# Altium PCB PCB5.PcbDoc (part 14 of 16)
Units mil, origin at the board's own origin, x right, y up, seen from the top; angles counter-clockwise.
Board outline 9210.27 x 4350.4 mil, 4 copper layers (Top Layer, Layer 1, Layer 2, Bottom Layer), stack 23.756 mil thick; 1550 components, 1731 nets, 5196 pads, 1890 vias.
Unrouted connection lines stored in the file: 2462.
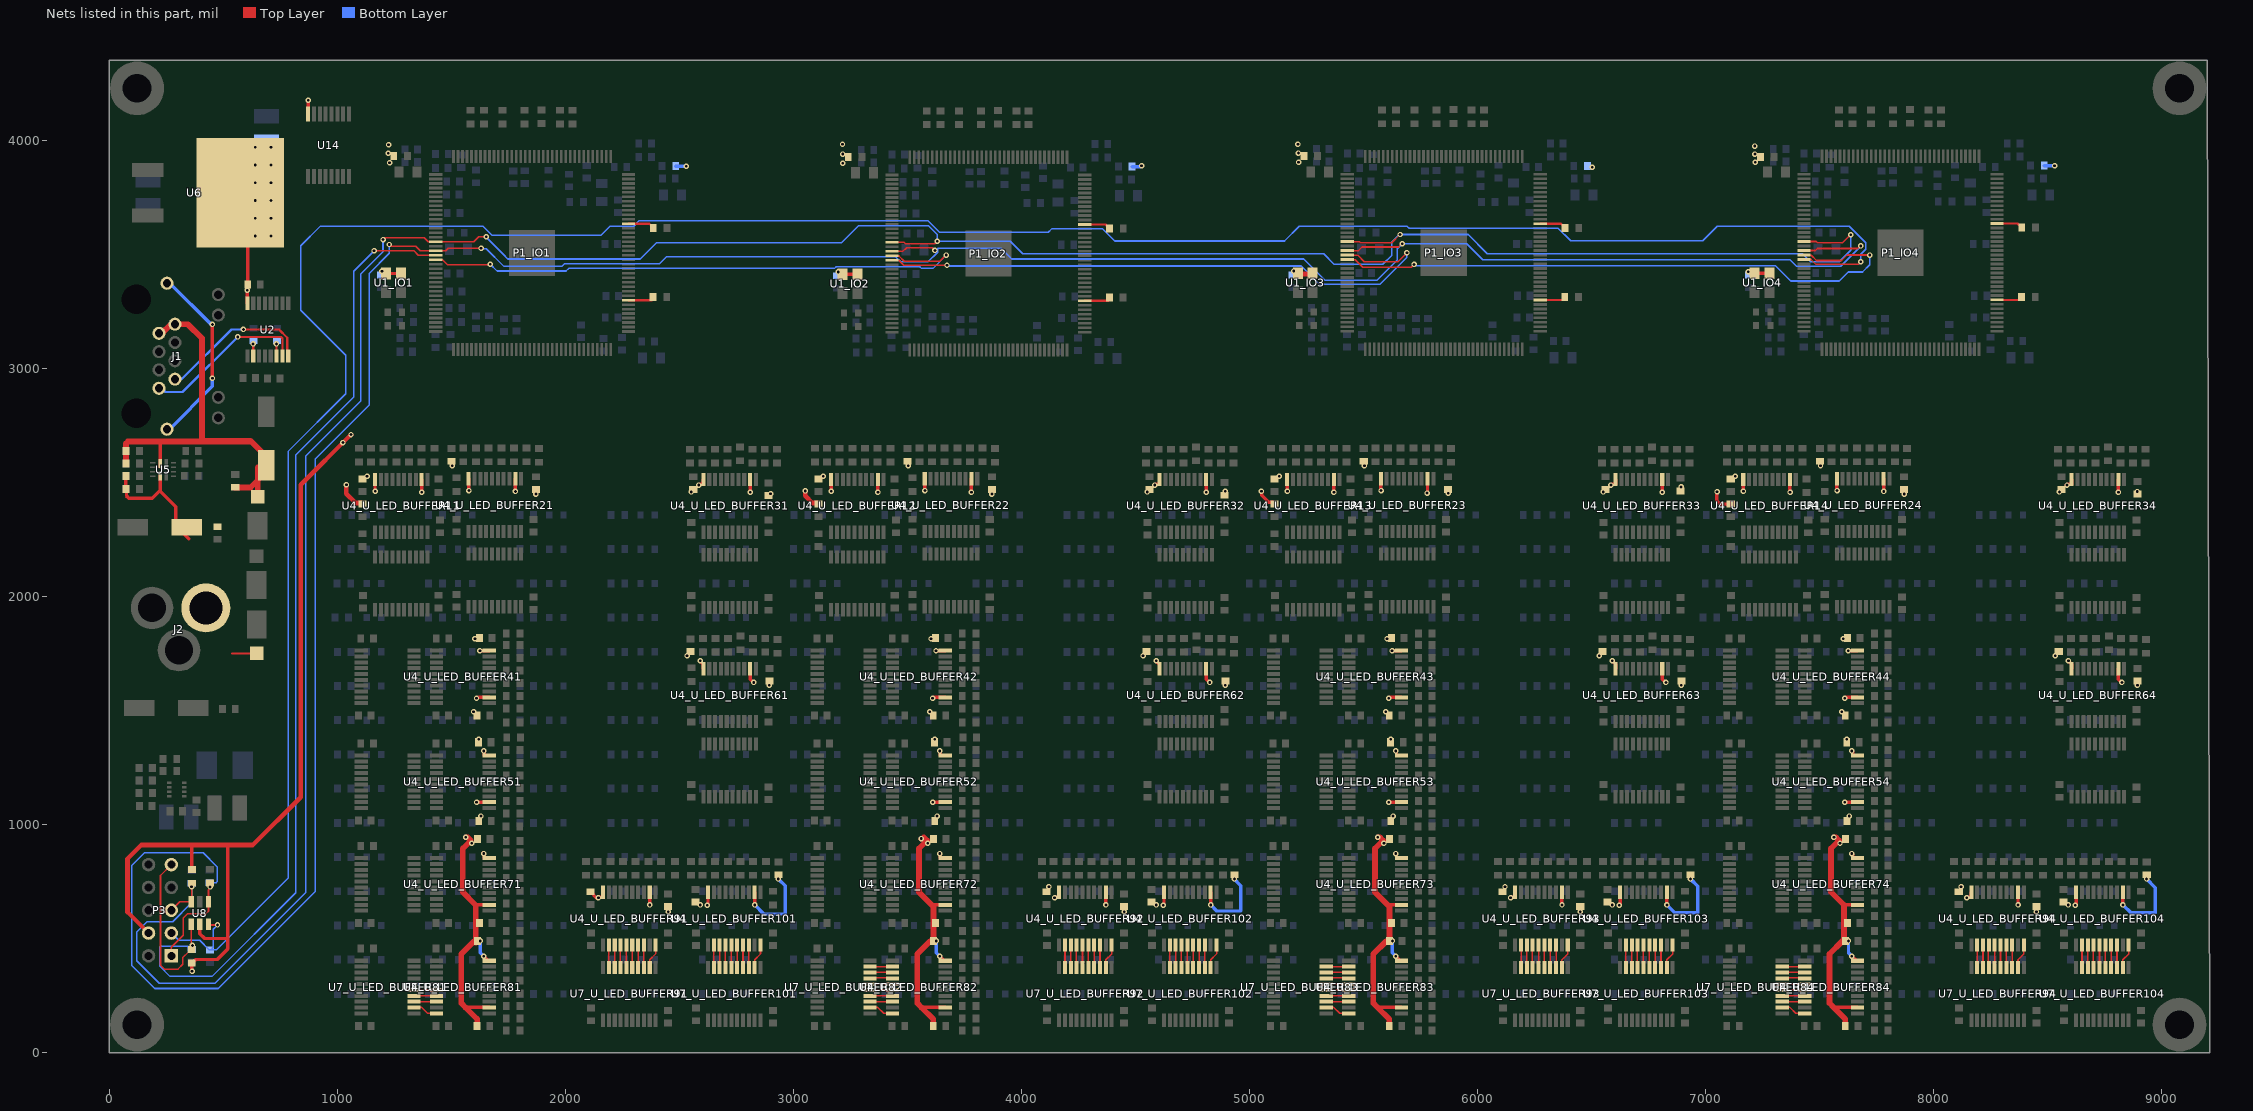
[diagram p16: the nets of this part, all layers, seen from the top]

## Via types
v1: diameter 24, hole 12, Top Layer to Bottom Layer, tented both sides, 1882 vias
v2: diameter 24, hole 12, Top Layer to Bottom Layer, 8 vias

## Nets (pads, with @x,y where several pads share a name; then routed paths per layer and width w, separated by ;. In a path a pad name is that pad's centre, name@x,y a point inside that pad or via, vN(x,y) a via of type N, cw(c..) or ccw(c..) an arc to the next point about the centre after c; other vN are vias at no path point) (continued)
NetU4_U_LED_BUFFER81_16: U4_U_LED_BUFFER81.16 U7_U_LED_BUFFER81.5 | length 98.7
  Top Layer w7: U7_U_LED_BUFFER81.5@1336.3,274.37 U4_U_LED_BUFFER81.16@1434.96,274.37
NetU4_U_LED_BUFFER81_17: U4_U_LED_BUFFER81.17 U7_U_LED_BUFFER81.4 | length 98.7
  Top Layer w7: U7_U_LED_BUFFER81.4@1336.3,248.78 U4_U_LED_BUFFER81.17@1434.96,248.78
NetU4_U_LED_BUFFER81_18: U4_U_LED_BUFFER81.18 U7_U_LED_BUFFER81.3 | length 98.7
  Top Layer w7: U7_U_LED_BUFFER81.3@1336.3,223.19 U4_U_LED_BUFFER81.18@1434.96,223.19
NetU4_U_LED_BUFFER81_20: U4_U_LED_BUFFER81.20 U7_U_LED_BUFFER81.2 | length 109.3
  Top Layer w7: U7_U_LED_BUFFER81.2@1336.3,197.6 1370.2,197.6 1395.79,172.01 U4_U_LED_BUFFER81.20@1434.96,172.01
NetU4_U_LED_BUFFER82_12: U4_U_LED_BUFFER82.12 U7_U_LED_BUFFER82.9 | length 98.7
  Top Layer w7: U7_U_LED_BUFFER82.9@3336.3,376.73 U4_U_LED_BUFFER82.12@3434.96,376.73
NetU4_U_LED_BUFFER82_13: U4_U_LED_BUFFER82.13 U7_U_LED_BUFFER82.8 | length 98.7
  Top Layer w7: U7_U_LED_BUFFER82.8@3336.3,351.14 U4_U_LED_BUFFER82.13@3434.96,351.14
NetU4_U_LED_BUFFER82_14: U4_U_LED_BUFFER82.14 U7_U_LED_BUFFER82.7 | length 98.7
  Top Layer w7: U7_U_LED_BUFFER82.7@3331.97,327.16 U4_U_LED_BUFFER82.14@3430.63,327.16
NetU4_U_LED_BUFFER82_15: U4_U_LED_BUFFER82.15 U7_U_LED_BUFFER82.6 | length 98.7
  Top Layer w7: U7_U_LED_BUFFER82.6@3336.3,299.96 U4_U_LED_BUFFER82.15@3434.96,299.96
NetU4_U_LED_BUFFER82_16: U4_U_LED_BUFFER82.16 U7_U_LED_BUFFER82.5 | length 98.7
  Top Layer w7: U7_U_LED_BUFFER82.5@3336.3,274.37 U4_U_LED_BUFFER82.16@3434.96,274.37
NetU4_U_LED_BUFFER82_17: U4_U_LED_BUFFER82.17 U7_U_LED_BUFFER82.4 | length 98.7
  Top Layer w7: U7_U_LED_BUFFER82.4@3336.3,248.78 U4_U_LED_BUFFER82.17@3434.96,248.78
NetU4_U_LED_BUFFER82_18: U4_U_LED_BUFFER82.18 U7_U_LED_BUFFER82.3 | length 98.7
  Top Layer w7: U7_U_LED_BUFFER82.3@3336.3,223.19 U4_U_LED_BUFFER82.18@3434.96,223.19
NetU4_U_LED_BUFFER82_20: U4_U_LED_BUFFER82.20 U7_U_LED_BUFFER82.2 | length 109.3
  Top Layer w7: U7_U_LED_BUFFER82.2@3336.3,197.6 3370.2,197.6 3395.79,172.01 U4_U_LED_BUFFER82.20@3434.96,172.01
NetU4_U_LED_BUFFER83_12: U4_U_LED_BUFFER83.12 U7_U_LED_BUFFER83.9 | length 98.7
  Top Layer w7: U7_U_LED_BUFFER83.9@5336.3,376.73 U4_U_LED_BUFFER83.12@5434.96,376.73
NetU4_U_LED_BUFFER83_13: U4_U_LED_BUFFER83.13 U7_U_LED_BUFFER83.8 | length 98.7
  Top Layer w7: U7_U_LED_BUFFER83.8@5336.3,351.14 U4_U_LED_BUFFER83.13@5434.96,351.14
NetU4_U_LED_BUFFER83_14: U4_U_LED_BUFFER83.14 U7_U_LED_BUFFER83.7 | length 98.7
  Top Layer w7: U7_U_LED_BUFFER83.7@5331.97,327.16 U4_U_LED_BUFFER83.14@5430.63,327.16
NetU4_U_LED_BUFFER83_15: U4_U_LED_BUFFER83.15 U7_U_LED_BUFFER83.6 | length 98.7
  Top Layer w7: U7_U_LED_BUFFER83.6@5336.3,299.96 U4_U_LED_BUFFER83.15@5434.96,299.96
NetU4_U_LED_BUFFER83_16: U4_U_LED_BUFFER83.16 U7_U_LED_BUFFER83.5 | length 98.7
  Top Layer w7: U7_U_LED_BUFFER83.5@5336.3,274.37 U4_U_LED_BUFFER83.16@5434.96,274.37
NetU4_U_LED_BUFFER83_17: U4_U_LED_BUFFER83.17 U7_U_LED_BUFFER83.4 | length 98.7
  Top Layer w7: U7_U_LED_BUFFER83.4@5336.3,248.78 U4_U_LED_BUFFER83.17@5434.96,248.78
NetU4_U_LED_BUFFER83_18: U4_U_LED_BUFFER83.18 U7_U_LED_BUFFER83.3 | length 98.7
  Top Layer w7: U7_U_LED_BUFFER83.3@5336.3,223.19 U4_U_LED_BUFFER83.18@5434.96,223.19
NetU4_U_LED_BUFFER83_20: U4_U_LED_BUFFER83.20 U7_U_LED_BUFFER83.2 | length 109.3
  Top Layer w7: U7_U_LED_BUFFER83.2@5336.3,197.6 5370.2,197.6 5395.79,172.01 U4_U_LED_BUFFER83.20@5434.96,172.01
NetU4_U_LED_BUFFER84_12: U4_U_LED_BUFFER84.12 U7_U_LED_BUFFER84.9 | length 98.7
  Top Layer w7: U7_U_LED_BUFFER84.9@7336.3,376.73 U4_U_LED_BUFFER84.12@7434.96,376.73
NetU4_U_LED_BUFFER84_13: U4_U_LED_BUFFER84.13 U7_U_LED_BUFFER84.8 | length 98.7
  Top Layer w7: U7_U_LED_BUFFER84.8@7336.3,351.14 U4_U_LED_BUFFER84.13@7434.96,351.14
NetU4_U_LED_BUFFER84_14: U4_U_LED_BUFFER84.14 U7_U_LED_BUFFER84.7 | length 98.7
  Top Layer w7: U7_U_LED_BUFFER84.7@7331.97,327.16 U4_U_LED_BUFFER84.14@7430.63,327.16
NetU4_U_LED_BUFFER84_15: U4_U_LED_BUFFER84.15 U7_U_LED_BUFFER84.6 | length 98.7
  Top Layer w7: U7_U_LED_BUFFER84.6@7336.3,299.96 U4_U_LED_BUFFER84.15@7434.96,299.96
NetU4_U_LED_BUFFER84_16: U4_U_LED_BUFFER84.16 U7_U_LED_BUFFER84.5 | length 98.7
  Top Layer w7: U7_U_LED_BUFFER84.5@7336.3,274.37 U4_U_LED_BUFFER84.16@7434.96,274.37
NetU4_U_LED_BUFFER84_17: U4_U_LED_BUFFER84.17 U7_U_LED_BUFFER84.4 | length 98.7
  Top Layer w7: U7_U_LED_BUFFER84.4@7336.3,248.78 U4_U_LED_BUFFER84.17@7434.96,248.78
NetU4_U_LED_BUFFER84_18: U4_U_LED_BUFFER84.18 U7_U_LED_BUFFER84.3 | length 98.7
  Top Layer w7: U7_U_LED_BUFFER84.3@7336.3,223.19 U4_U_LED_BUFFER84.18@7434.96,223.19
NetU4_U_LED_BUFFER84_20: U4_U_LED_BUFFER84.20 U7_U_LED_BUFFER84.2 | length 109.3
  Top Layer w7: U7_U_LED_BUFFER84.2@7336.3,197.6 7370.2,197.6 7395.79,172.01 U4_U_LED_BUFFER84.20@7434.96,172.01
NetU4_U_LED_BUFFER91_12: U4_U_LED_BUFFER91.12 U7_U_LED_BUFFER91.9 | length 98.7
  Top Layer w7: U7_U_LED_BUFFER91.9@2191.06,372.83 U4_U_LED_BUFFER91.12@2191.06,471.5
NetU4_U_LED_BUFFER91_13: U4_U_LED_BUFFER91.13 U7_U_LED_BUFFER91.8 | length 98.7
  Top Layer w7: U7_U_LED_BUFFER91.8@2216.66,372.83 U4_U_LED_BUFFER91.13@2216.66,471.5
NetU4_U_LED_BUFFER91_14: U4_U_LED_BUFFER91.14 U7_U_LED_BUFFER91.7 | length 98.7
  Top Layer w7: U7_U_LED_BUFFER91.7@2240.63,368.5 U4_U_LED_BUFFER91.14@2240.63,467.16
NetU4_U_LED_BUFFER91_15: U4_U_LED_BUFFER91.15 U7_U_LED_BUFFER91.6 | length 98.7
  Top Layer w7: U7_U_LED_BUFFER91.6@2267.84,372.83 U4_U_LED_BUFFER91.15@2267.84,471.5
NetU4_U_LED_BUFFER91_16: U4_U_LED_BUFFER91.16 U7_U_LED_BUFFER91.5 | length 98.7
  Top Layer w7: U7_U_LED_BUFFER91.5@2293.43,372.83 U4_U_LED_BUFFER91.16@2293.43,471.5
NetU4_U_LED_BUFFER91_17: U4_U_LED_BUFFER91.17 U7_U_LED_BUFFER91.4 | length 98.7
  Top Layer w7: U7_U_LED_BUFFER91.4@2319.02,372.83 U4_U_LED_BUFFER91.17@2319.02,471.5
NetU4_U_LED_BUFFER91_18: U4_U_LED_BUFFER91.18 U7_U_LED_BUFFER91.3 | length 98.7
  Top Layer w7: U7_U_LED_BUFFER91.3@2344.61,372.83 U4_U_LED_BUFFER91.18@2344.61,471.5
NetU4_U_LED_BUFFER91_20: U4_U_LED_BUFFER91.20 U7_U_LED_BUFFER91.2 | length 109.3
  Top Layer w7: U7_U_LED_BUFFER91.2@2370.2,372.83 2370.2,406.73 2395.79,432.32 U4_U_LED_BUFFER91.20@2395.79,471.5
NetU4_U_LED_BUFFER92_12: U4_U_LED_BUFFER92.12 U7_U_LED_BUFFER92.9 | length 98.7
  Top Layer w7: U7_U_LED_BUFFER92.9@4191.06,372.83 U4_U_LED_BUFFER92.12@4191.06,471.5
NetU4_U_LED_BUFFER92_13: U4_U_LED_BUFFER92.13 U7_U_LED_BUFFER92.8 | length 98.7
  Top Layer w7: U7_U_LED_BUFFER92.8@4216.66,372.83 U4_U_LED_BUFFER92.13@4216.66,471.5
NetU4_U_LED_BUFFER92_14: U4_U_LED_BUFFER92.14 U7_U_LED_BUFFER92.7 | length 98.7
  Top Layer w7: U7_U_LED_BUFFER92.7@4240.63,368.5 U4_U_LED_BUFFER92.14@4240.63,467.16
NetU4_U_LED_BUFFER92_15: U4_U_LED_BUFFER92.15 U7_U_LED_BUFFER92.6 | length 98.7
  Top Layer w7: U7_U_LED_BUFFER92.6@4267.84,372.83 U4_U_LED_BUFFER92.15@4267.84,471.5
NetU4_U_LED_BUFFER92_16: U4_U_LED_BUFFER92.16 U7_U_LED_BUFFER92.5 | length 98.7
  Top Layer w7: U7_U_LED_BUFFER92.5@4293.43,372.83 U4_U_LED_BUFFER92.16@4293.43,471.5
NetU4_U_LED_BUFFER92_17: U4_U_LED_BUFFER92.17 U7_U_LED_BUFFER92.4 | length 98.7
  Top Layer w7: U7_U_LED_BUFFER92.4@4319.02,372.83 U4_U_LED_BUFFER92.17@4319.02,471.5
NetU4_U_LED_BUFFER92_18: U4_U_LED_BUFFER92.18 U7_U_LED_BUFFER92.3 | length 98.7
  Top Layer w7: U7_U_LED_BUFFER92.3@4344.61,372.83 U4_U_LED_BUFFER92.18@4344.61,471.5
NetU4_U_LED_BUFFER92_20: U4_U_LED_BUFFER92.20 U7_U_LED_BUFFER92.2 | length 109.3
  Top Layer w7: U7_U_LED_BUFFER92.2@4370.2,372.83 4370.2,406.73 4395.79,432.32 U4_U_LED_BUFFER92.20@4395.79,471.5
NetU4_U_LED_BUFFER93_12: U4_U_LED_BUFFER93.12 U7_U_LED_BUFFER93.9 | length 98.7
  Top Layer w7: U7_U_LED_BUFFER93.9@6191.06,372.83 U4_U_LED_BUFFER93.12@6191.06,471.5
NetU4_U_LED_BUFFER93_13: U4_U_LED_BUFFER93.13 U7_U_LED_BUFFER93.8 | length 98.7
  Top Layer w7: U7_U_LED_BUFFER93.8@6216.66,372.83 U4_U_LED_BUFFER93.13@6216.66,471.5
NetU4_U_LED_BUFFER93_14: U4_U_LED_BUFFER93.14 U7_U_LED_BUFFER93.7 | length 98.7
  Top Layer w7: U7_U_LED_BUFFER93.7@6240.63,368.5 U4_U_LED_BUFFER93.14@6240.63,467.16
NetU4_U_LED_BUFFER93_15: U4_U_LED_BUFFER93.15 U7_U_LED_BUFFER93.6 | length 98.7
  Top Layer w7: U7_U_LED_BUFFER93.6@6267.84,372.83 U4_U_LED_BUFFER93.15@6267.84,471.5
NetU4_U_LED_BUFFER93_16: U4_U_LED_BUFFER93.16 U7_U_LED_BUFFER93.5 | length 98.7
  Top Layer w7: U7_U_LED_BUFFER93.5@6293.43,372.83 U4_U_LED_BUFFER93.16@6293.43,471.5
NetU4_U_LED_BUFFER93_17: U4_U_LED_BUFFER93.17 U7_U_LED_BUFFER93.4 | length 98.7
  Top Layer w7: U7_U_LED_BUFFER93.4@6319.02,372.83 U4_U_LED_BUFFER93.17@6319.02,471.5
NetU4_U_LED_BUFFER93_18: U4_U_LED_BUFFER93.18 U7_U_LED_BUFFER93.3 | length 98.7
  Top Layer w7: U7_U_LED_BUFFER93.3@6344.61,372.83 U4_U_LED_BUFFER93.18@6344.61,471.5
NetU4_U_LED_BUFFER93_20: U4_U_LED_BUFFER93.20 U7_U_LED_BUFFER93.2 | length 109.3
  Top Layer w7: U7_U_LED_BUFFER93.2@6370.2,372.83 6370.2,406.73 6395.79,432.32 U4_U_LED_BUFFER93.20@6395.79,471.5
NetU4_U_LED_BUFFER94_12: U4_U_LED_BUFFER94.12 U7_U_LED_BUFFER94.9 | length 98.7
  Top Layer w7: U7_U_LED_BUFFER94.9@8191.06,372.83 U4_U_LED_BUFFER94.12@8191.06,471.5
NetU4_U_LED_BUFFER94_13: U4_U_LED_BUFFER94.13 U7_U_LED_BUFFER94.8 | length 98.7
  Top Layer w7: U7_U_LED_BUFFER94.8@8216.66,372.83 U4_U_LED_BUFFER94.13@8216.66,471.5
NetU4_U_LED_BUFFER94_14: U4_U_LED_BUFFER94.14 U7_U_LED_BUFFER94.7 | length 98.7
  Top Layer w7: U7_U_LED_BUFFER94.7@8240.63,368.5 U4_U_LED_BUFFER94.14@8240.63,467.16
NetU4_U_LED_BUFFER94_15: U4_U_LED_BUFFER94.15 U7_U_LED_BUFFER94.6 | length 98.7
  Top Layer w7: U7_U_LED_BUFFER94.6@8267.84,372.83 U4_U_LED_BUFFER94.15@8267.84,471.5
NetU4_U_LED_BUFFER94_16: U4_U_LED_BUFFER94.16 U7_U_LED_BUFFER94.5 | length 98.7
  Top Layer w7: U7_U_LED_BUFFER94.5@8293.43,372.83 U4_U_LED_BUFFER94.16@8293.43,471.5
NetU4_U_LED_BUFFER94_17: U4_U_LED_BUFFER94.17 U7_U_LED_BUFFER94.4 | length 98.7
  Top Layer w7: U7_U_LED_BUFFER94.4@8319.02,372.83 U4_U_LED_BUFFER94.17@8319.02,471.5
NetU4_U_LED_BUFFER94_18: U4_U_LED_BUFFER94.18 U7_U_LED_BUFFER94.3 | length 98.7
  Top Layer w7: U7_U_LED_BUFFER94.3@8344.61,372.83 U4_U_LED_BUFFER94.18@8344.61,471.5
NetU4_U_LED_BUFFER94_20: U4_U_LED_BUFFER94.20 U7_U_LED_BUFFER94.2 | length 109.3
  Top Layer w7: U7_U_LED_BUFFER94.2@8370.2,372.83 8370.2,406.73 8395.79,432.32 U4_U_LED_BUFFER94.20@8395.79,471.5
NetU4_U_LED_BUFFER101_12: U4_U_LED_BUFFER101.12 U7_U_LED_BUFFER101.9 | length 98.7
  Top Layer w7: U7_U_LED_BUFFER101.9@2651.06,372.83 U4_U_LED_BUFFER101.12@2651.06,471.5
NetU4_U_LED_BUFFER101_13: U4_U_LED_BUFFER101.13 U7_U_LED_BUFFER101.8 | length 98.7
  Top Layer w7: U7_U_LED_BUFFER101.8@2676.66,372.83 U4_U_LED_BUFFER101.13@2676.66,471.5
NetU4_U_LED_BUFFER101_14: U4_U_LED_BUFFER101.14 U7_U_LED_BUFFER101.7 | length 98.7
  Top Layer w7: U7_U_LED_BUFFER101.7@2700.63,368.5 U4_U_LED_BUFFER101.14@2700.63,467.16
NetU4_U_LED_BUFFER101_15: U4_U_LED_BUFFER101.15 U7_U_LED_BUFFER101.6 | length 98.7
  Top Layer w7: U7_U_LED_BUFFER101.6@2727.84,372.83 U4_U_LED_BUFFER101.15@2727.84,471.5
NetU4_U_LED_BUFFER101_16: U4_U_LED_BUFFER101.16 U7_U_LED_BUFFER101.5 | length 98.7
  Top Layer w7: U7_U_LED_BUFFER101.5@2753.43,372.83 U4_U_LED_BUFFER101.16@2753.43,471.5
NetU4_U_LED_BUFFER101_17: U4_U_LED_BUFFER101.17 U7_U_LED_BUFFER101.4 | length 98.7
  Top Layer w7: U7_U_LED_BUFFER101.4@2779.02,372.83 U4_U_LED_BUFFER101.17@2779.02,471.5
NetU4_U_LED_BUFFER101_18: U4_U_LED_BUFFER101.18 U7_U_LED_BUFFER101.3 | length 98.7
  Top Layer w7: U7_U_LED_BUFFER101.3@2804.61,372.83 U4_U_LED_BUFFER101.18@2804.61,471.5
NetU4_U_LED_BUFFER101_20: U4_U_LED_BUFFER101.20 U7_U_LED_BUFFER101.2 | length 109.3
  Top Layer w7: U7_U_LED_BUFFER101.2@2830.2,372.83 2830.2,406.73 2855.79,432.32 U4_U_LED_BUFFER101.20@2855.79,471.5
NetU4_U_LED_BUFFER102_12: U4_U_LED_BUFFER102.12 U7_U_LED_BUFFER102.9 | length 98.7
  Top Layer w7: U7_U_LED_BUFFER102.9@4651.06,372.83 U4_U_LED_BUFFER102.12@4651.06,471.5
NetU4_U_LED_BUFFER102_13: U4_U_LED_BUFFER102.13 U7_U_LED_BUFFER102.8 | length 98.7
  Top Layer w7: U7_U_LED_BUFFER102.8@4676.66,372.83 U4_U_LED_BUFFER102.13@4676.66,471.5
NetU4_U_LED_BUFFER102_14: U4_U_LED_BUFFER102.14 U7_U_LED_BUFFER102.7 | length 98.7
  Top Layer w7: U7_U_LED_BUFFER102.7@4700.63,368.5 U4_U_LED_BUFFER102.14@4700.63,467.16
NetU4_U_LED_BUFFER102_15: U4_U_LED_BUFFER102.15 U7_U_LED_BUFFER102.6 | length 98.7
  Top Layer w7: U7_U_LED_BUFFER102.6@4727.84,372.83 U4_U_LED_BUFFER102.15@4727.84,471.5
NetU4_U_LED_BUFFER102_16: U4_U_LED_BUFFER102.16 U7_U_LED_BUFFER102.5 | length 98.7
  Top Layer w7: U7_U_LED_BUFFER102.5@4753.43,372.83 U4_U_LED_BUFFER102.16@4753.43,471.5
NetU4_U_LED_BUFFER102_17: U4_U_LED_BUFFER102.17 U7_U_LED_BUFFER102.4 | length 98.7
  Top Layer w7: U7_U_LED_BUFFER102.4@4779.02,372.83 U4_U_LED_BUFFER102.17@4779.02,471.5
NetU4_U_LED_BUFFER102_18: U4_U_LED_BUFFER102.18 U7_U_LED_BUFFER102.3 | length 98.7
  Top Layer w7: U7_U_LED_BUFFER102.3@4804.61,372.83 U4_U_LED_BUFFER102.18@4804.61,471.5
NetU4_U_LED_BUFFER102_20: U4_U_LED_BUFFER102.20 U7_U_LED_BUFFER102.2 | length 109.3
  Top Layer w7: U7_U_LED_BUFFER102.2@4830.2,372.83 4830.2,406.73 4855.79,432.32 U4_U_LED_BUFFER102.20@4855.79,471.5
NetU4_U_LED_BUFFER103_12: U4_U_LED_BUFFER103.12 U7_U_LED_BUFFER103.9 | length 98.7
  Top Layer w7: U7_U_LED_BUFFER103.9@6651.06,372.83 U4_U_LED_BUFFER103.12@6651.06,471.5
NetU4_U_LED_BUFFER103_13: U4_U_LED_BUFFER103.13 U7_U_LED_BUFFER103.8 | length 98.7
  Top Layer w7: U7_U_LED_BUFFER103.8@6676.66,372.83 U4_U_LED_BUFFER103.13@6676.66,471.5
NetU4_U_LED_BUFFER103_14: U4_U_LED_BUFFER103.14 U7_U_LED_BUFFER103.7 | length 98.7
  Top Layer w7: U7_U_LED_BUFFER103.7@6700.63,368.5 U4_U_LED_BUFFER103.14@6700.63,467.16
NetU4_U_LED_BUFFER103_15: U4_U_LED_BUFFER103.15 U7_U_LED_BUFFER103.6 | length 98.7
  Top Layer w7: U7_U_LED_BUFFER103.6@6727.84,372.83 U4_U_LED_BUFFER103.15@6727.84,471.5
NetU4_U_LED_BUFFER103_16: U4_U_LED_BUFFER103.16 U7_U_LED_BUFFER103.5 | length 98.7
  Top Layer w7: U7_U_LED_BUFFER103.5@6753.43,372.83 U4_U_LED_BUFFER103.16@6753.43,471.5
NetU4_U_LED_BUFFER103_17: U4_U_LED_BUFFER103.17 U7_U_LED_BUFFER103.4 | length 98.7
  Top Layer w7: U7_U_LED_BUFFER103.4@6779.02,372.83 U4_U_LED_BUFFER103.17@6779.02,471.5
NetU4_U_LED_BUFFER103_18: U4_U_LED_BUFFER103.18 U7_U_LED_BUFFER103.3 | length 98.7
  Top Layer w7: U7_U_LED_BUFFER103.3@6804.61,372.83 U4_U_LED_BUFFER103.18@6804.61,471.5
NetU4_U_LED_BUFFER103_20: U4_U_LED_BUFFER103.20 U7_U_LED_BUFFER103.2 | length 109.3
  Top Layer w7: U7_U_LED_BUFFER103.2@6830.2,372.83 6830.2,406.73 6855.79,432.32 U4_U_LED_BUFFER103.20@6855.79,471.5
NetU4_U_LED_BUFFER104_12: U4_U_LED_BUFFER104.12 U7_U_LED_BUFFER104.9 | length 98.7
  Top Layer w7: U7_U_LED_BUFFER104.9@8651.06,372.83 U4_U_LED_BUFFER104.12@8651.06,471.5
NetU4_U_LED_BUFFER104_13: U4_U_LED_BUFFER104.13 U7_U_LED_BUFFER104.8 | length 98.7
  Top Layer w7: U7_U_LED_BUFFER104.8@8676.66,372.83 U4_U_LED_BUFFER104.13@8676.66,471.5
NetU4_U_LED_BUFFER104_14: U4_U_LED_BUFFER104.14 U7_U_LED_BUFFER104.7 | length 98.7
  Top Layer w7: U7_U_LED_BUFFER104.7@8700.63,368.5 U4_U_LED_BUFFER104.14@8700.63,467.16
NetU4_U_LED_BUFFER104_15: U4_U_LED_BUFFER104.15 U7_U_LED_BUFFER104.6 | length 98.7
  Top Layer w7: U7_U_LED_BUFFER104.6@8727.84,372.83 U4_U_LED_BUFFER104.15@8727.84,471.5
NetU4_U_LED_BUFFER104_16: U4_U_LED_BUFFER104.16 U7_U_LED_BUFFER104.5 | length 98.7
  Top Layer w7: U7_U_LED_BUFFER104.5@8753.43,372.83 U4_U_LED_BUFFER104.16@8753.43,471.5
NetU4_U_LED_BUFFER104_17: U4_U_LED_BUFFER104.17 U7_U_LED_BUFFER104.4 | length 98.7
  Top Layer w7: U7_U_LED_BUFFER104.4@8779.02,372.83 U4_U_LED_BUFFER104.17@8779.02,471.5
NetU4_U_LED_BUFFER104_18: U4_U_LED_BUFFER104.18 U7_U_LED_BUFFER104.3 | length 98.7
  Top Layer w7: U7_U_LED_BUFFER104.3@8804.61,372.83 U4_U_LED_BUFFER104.18@8804.61,471.5
NetU4_U_LED_BUFFER104_20: U4_U_LED_BUFFER104.20 U7_U_LED_BUFFER104.2 | length 109.3
  Top Layer w7: U7_U_LED_BUFFER104.2@8830.2,372.83 8830.2,406.73 8855.79,432.32 U4_U_LED_BUFFER104.20@8855.79,471.5
PWR_CNTRL: C78.2 C79.1 D4.2 J1.7 J1.8 R41.1 R42.2 U5.2 | length 2076.2
  Top Layer w15: U5.2@223.14,2569.57 223.14,2679.57
  Top Layer w25: R41.1@72.98,2582.81 R42.2@72.98,2638.34 72.98,2670.94 81.61,2679.57 223.14,2679.57 406.24,2679.57 622.74,2679.57 ; J1.7@229.86,3153.85 270.02,3194.01 299.94,3194.01 344.27,3194.01 406.24,3132.04 406.24,2685.07 ; 406.24,2682.77 619.54,2682.77 622.74,2679.57 ; C78.2@549.81,2476.48 C78.2@552.34,2479.01 ; C78.2@552.34,2477.55 619.97,2477.55 650.54,2508.12 ; D4.2@650.54,2436.83 650.54,2508.12 ; 650.54,2565.67 650.54,2508.12 ; 622.74,2679.57 668.64,2633.67 668.64,2526.22 650.54,2508.12
PWR_LOCAL: C75.2 C76.1 D6.2 J2.1 R35.1 R36.2 U5.7 | length 763.1
  Top Layer w10: J2.1@422.15,1858.6 J2.1@422.15,1951.7 ; 538.34,1750.07 D6.2@646.44,1750.07
  Top Layer w15: R35.1@72.98,2527.27 R36.2@72.98,2471.74 75.5,2469.23 75.5,2440.53 85.98,2430.04 188.18,2430.04 221.63,2463.49 ; U5.7@222.78,2529.79 223.08,2529.49 223.08,2464.94 221.63,2463.49 ; C76.1@287.24,2314.67 348.84,2253.07 ; C76.1@292.44,2337.17 292.44,2392.69 221.63,2463.49
RS232_RX: J1.2 U2.8 | length 667.7
  Top Layer w10: v1(588.14,3170.77) 744.08,3170.77 780.18,3134.67 780.18,3084.19 781.05,3083.32 781.05,3058.15 U2.8@784.91,3054.3
  Bottom Layer w10: J1.2@299.94,2953.07 318.36,2953.07 536.06,3170.77 v1(588.14,3170.77)
RS232_TX: J1.1 U2.7 | length 716.3
  Top Layer w10: v1(563.06,3137.97) 752.84,3137.97 759.32,3131.49 U2.7@759.32,3054.3
  Bottom Layer w10: J1.1@229.86,2912.91 246.45,2896.32 321.42,2896.32 v1(563.06,3137.97)
SCL: P1_IO1.97 R14_IO1.1 | length 116.2
  Top Layer w10: P1_IO1.97@2276.85,3634.06 2367.63,3634.06 2376.63,3625.06 R14_IO1.1@2385.63,3616.06
SCL_IO2: P1_IO2.97 R14_IO2.1 | length 116.2